# Altium PCB PCB1.PcbDoc
Units mm, origin at the board's own origin, x right, y up, seen from the top; angles counter-clockwise.
Board outline 35.74 x 21.26 mm, 2 copper layers (Top Layer, Bottom Layer); 26 components, 26 nets, 111 pads, 36 vias.
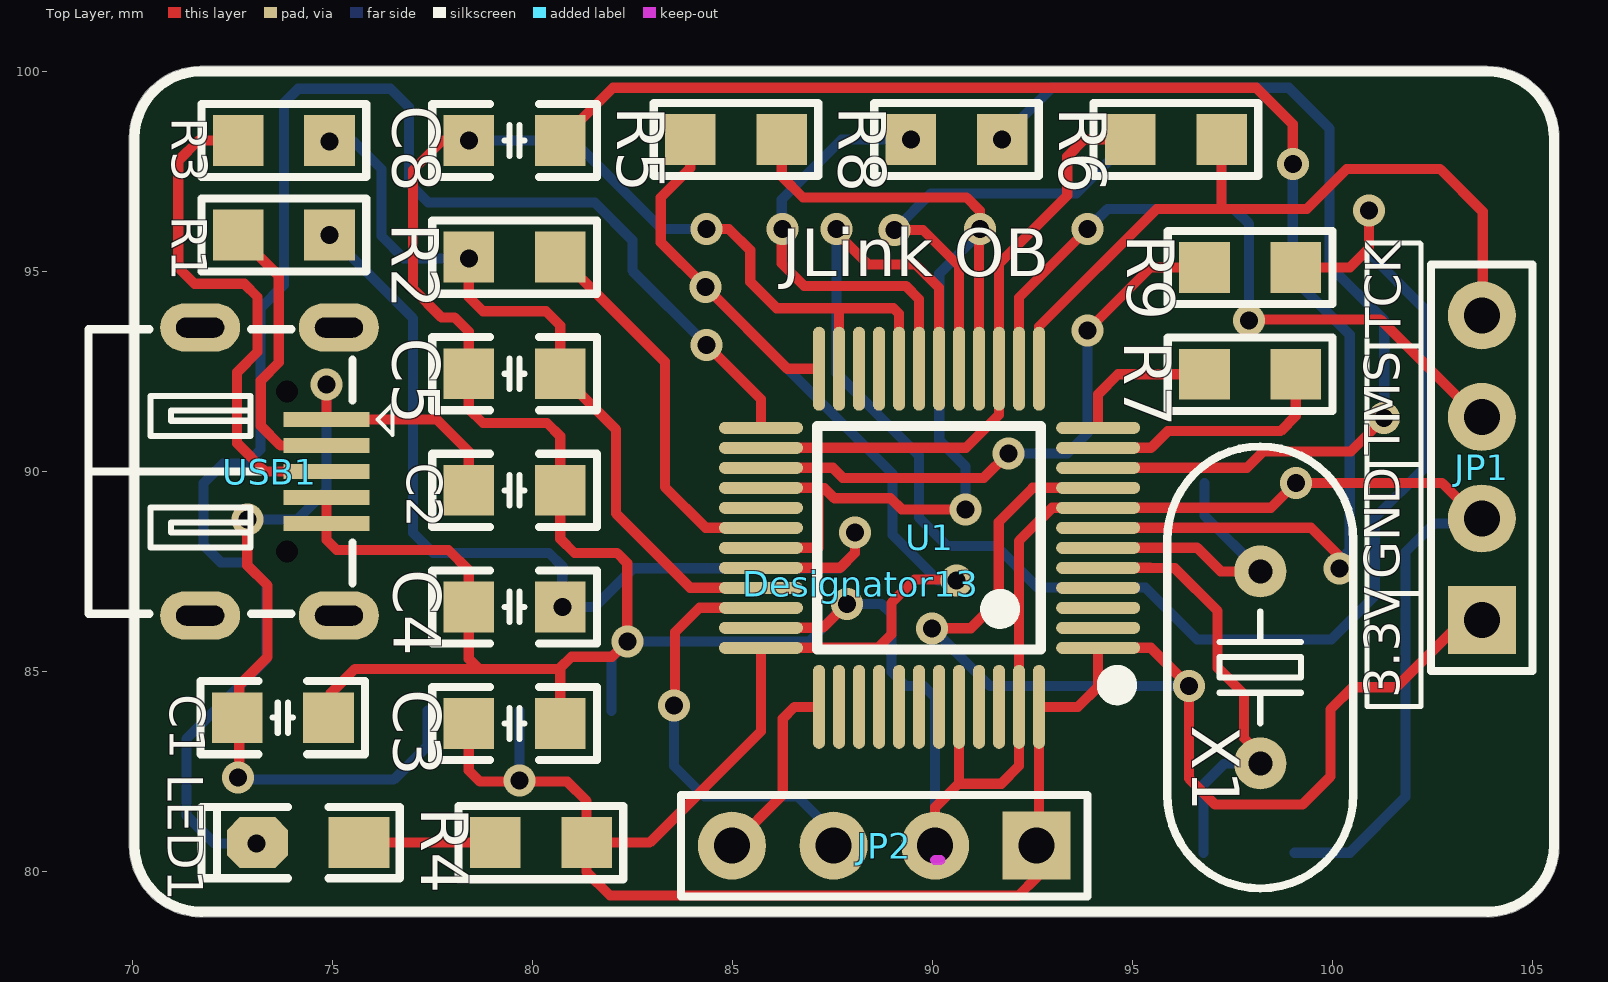
[diagram p0: Top Layer view]
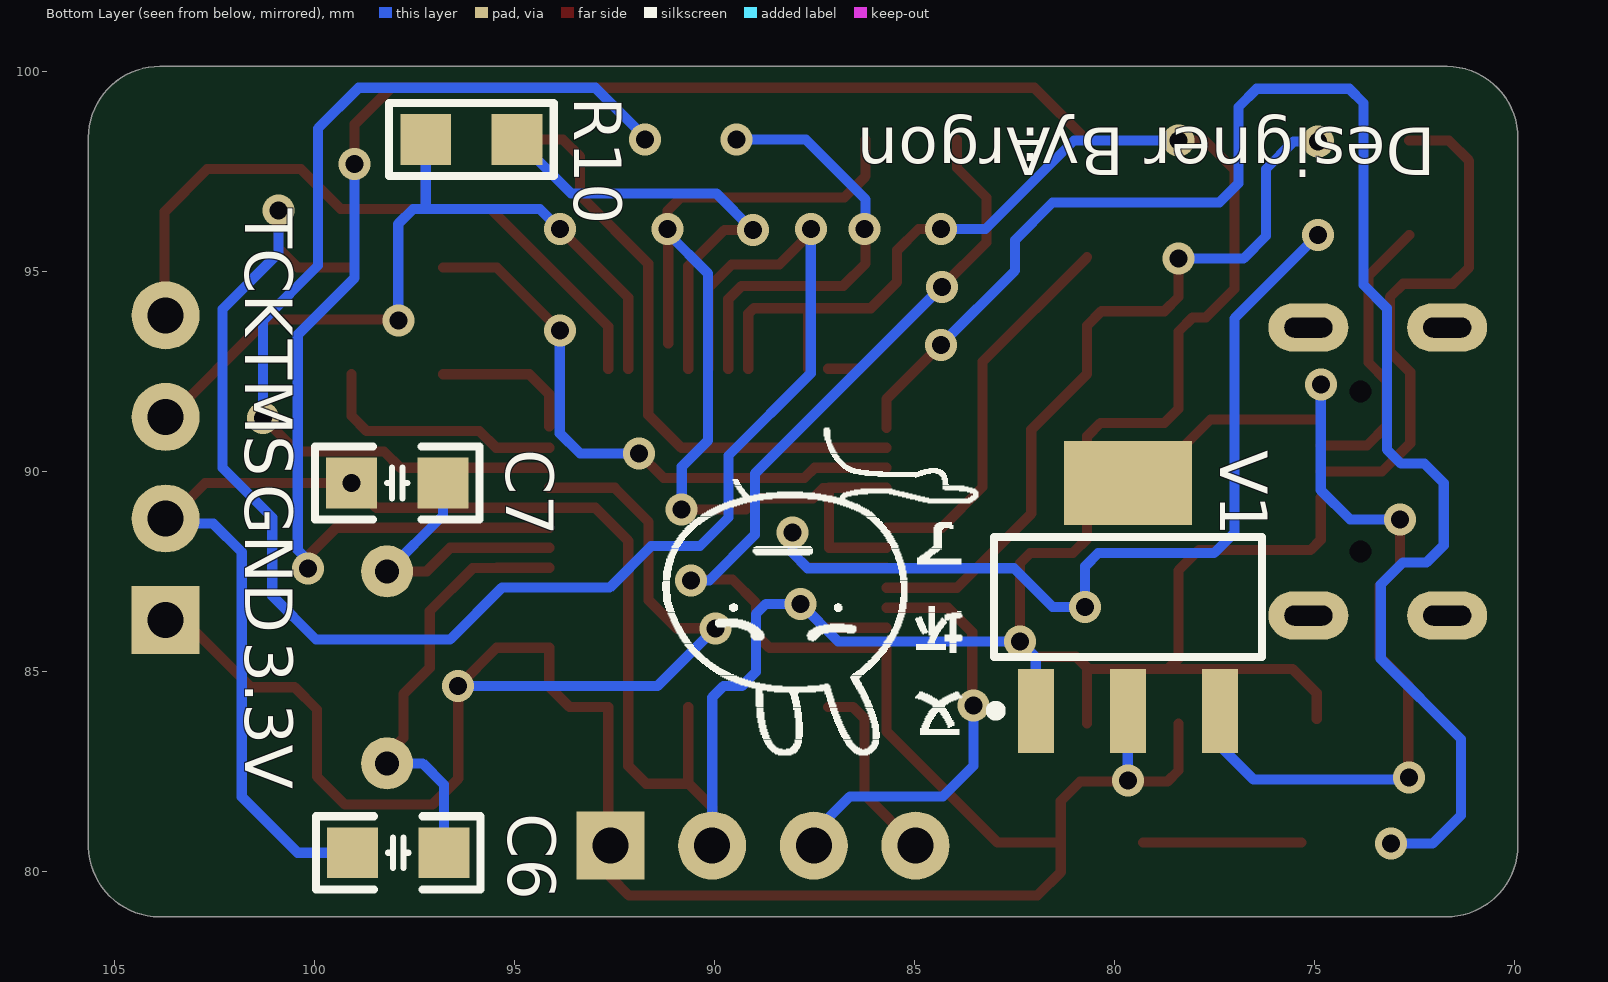
[diagram p1: Bottom Layer view, seen from below]

## Layer stack, top to bottom
Top Solder: solder mask 0.0102, Solder Resist, Dk 3.5
Top Layer: signal copper 0.0356
Dielectric 1: dielectric 0.32, FR-4, Dk 4.8
Bottom Layer: signal copper 0.0356
Bottom Solder: solder mask 0.0102, Solder Resist, Dk 3.5

## Board outline
71.722,78.867 cw(c71.713,80.654) 69.926,80.644 cw(c70.053,80.645) 69.926,80.645 69.926,98.332 cw(c70.053,98.332) 69.926,98.333 cw(c71.713,98.34) 71.696,100.127 cw(c71.704,100) 71.704,100.127 103.861,100.127 cw(c103.861,100) 103.868,100.127 cw(c103.869,100) 103.868,100.127 cw(c103.877,98.34) 105.664,98.349 cw(c105.537,98.349) 105.664,98.349 cw(c105.537,98.349) 105.664,98.345 cw(c105.537,98.34) 105.664,98.34 105.664,80.62 cw(c105.537,80.62) 105.664,80.608 cw(c103.877,80.654) 103.887,78.867 cw(c103.886,78.994) 103.847,78.873 71.76,78.873 cw(c71.721,78.994)

## Design rules (kind name [scope] priority, off if disabled: settings)
Clearance [All] p1: gap=0.254 ignorepadtopadclearanceinfootprint=FALSE except(0: Arc-Hole Track-Hole SMDPad-Hole THPad-Hole Via-Hole Fill-Hole Poly-Hole Region-Hole Text-Hole)
PolygonConnect [All] p1: connectstyle=Relief reliefconductorwidth=0.254 reliefentries=4 polygonreliefangle="90 Angle" airgapwidth=0.254
RoutingVias [All] p1: holewidth=0.711 width=1.27 viastyle="Through Hole" minholewidth=0.711 minwidth=1.27 maxholewidth=0.711 maxwidth=1.27
SolderMaskExpansion [All] p1: expansion=0.102
Width [All] p1: maxlimit=0.254 minlimit=0.254 preferedwidth=0.254
30 further rules are at their usual default settings.

## Components (designator, comment, footprint, x,y, rotation, side; value= is the part's Value field where it differs from the comment)
C1 "105(1uF)" "C 0805_M" 73.762,83.845 r0 top
C2 "104(100nF)" "C 0805_M" 79.553,89.529 r0 top
C3 "105(1uF)" "C 0805_M" 79.553,83.699 r0 top
C4 "22P" "C 0805_M" 79.553,86.614 r0 top
C5 "22P" "C 0805_M" 79.553,92.444 r0 top
C6 "22PF" "C 0805_M" 97.917,80.467 r180 bottom
C7 "22PF" "C 0805_M" 97.942,89.713 r180 bottom
C8 "104" "C 0805_M" 79.553,98.274 r0 top
Designator13 "Comment" 又坏了 88.214,87.198 r180 top
JP1 "HDR-1X4" HDR2.54-LI-4P 103.734,90.094 r90 top
JP2 "HDR-1X4" HDR2.54-LI-4P 88.798,80.645 r180 top
LED1 "红色" "LED 0805G" 74.397,80.721 r180 top
R1 "100" "R 0805_M" 73.787,95.91 r180 top
R2 "1K5" "R 0805_M" 79.553,95.359 r180 top
R3 "100" "R 0805_M" 73.787,98.273 r180 top
R4 "1K5" "R 0805_M" 80.213,80.721 r0 top
R5 "1K?10K" "R 0805_M" 85.09,98.298 r180 top
R6 "100" "R 0805_M" 96.088,98.298 r180 top
R7 "100" "R 0805_M" 97.942,92.431 r0 top
R8 "100" "R 0805_M" 90.602,98.298 r0 top
R9 "100" "R 0805_M" 97.942,95.098 r180 top
R10 "100" "R 0805_M" 96.088,98.298 r180 bottom
U1 "STM32F103C8" "LQFP48 7X7_M" 89.916,88.341 r90 top locked
USB1 "USB-5P" USB-MICRO_D 71.693,89.999 r270 top
V1 "AMS1117-3V3" SOT223_L 79.68,86.868 r90 bottom
X1 "8MHz" "OSC HC-49S" 98.196,85.103 r270 top

## Footprints (in the part's own frame and the unit in brackets; to place one, negate y for a bottom-side part, rotate by r counter-clockwise, add the part's x,y. Pads: shape width x height; smd on the part's side, far side on the other; paste and mask are expansions set on the pad)
"C 0805_M" [mil] "无极性贴片电容"
  rect 50x50 smd: 1(-45,0) 2(45,0)
  silkscreen extent -81,-36 81,36, body extent -39,-24 39,24, height 20
HDR2.54-LI-4P [mm] "排针，4脚"
  rect 1.7x1.7 hole 0.9: 1(-3.81,0)
  round 1.7 hole 0.9: 2(-1.27,0) 3(1.27,0) 4(3.81,0)
  silkscreen extent -5.08,-1.27 5.08,1.27, body extent -5.08,-1.27 5.08,1.27, height 8.5
"LED 0805G" [mil] "绿色0805LED"
  rect 60x50 smd: 1(-50,0)
  oct 60x50 smd: 2(50,0)
  silkscreen extent -90,-35 105,35, body extent -39,-25 39,25, height 32
"LQFP48 7X7_M" [mm] "48脚，体宽7x7mm，脚距0.5mm"
  oval 0.3x2.1 smd: 1(-2.75,-4.227) 2(-2.25,-4.227) 3(-1.75,-4.227) 4(-1.25,-4.227) 5(-0.75,-4.227) 6(-0.25,-4.227) 7(0.25,-4.227) 8(0.75,-4.227) 9(1.25,-4.227) 10(1.75,-4.227) 11(2.25,-4.227) 12(2.75,-4.227) 25(2.75,4.202) 26(2.25,4.202) 27(1.75,4.202) 28(1.25,4.202) 29(0.75,4.202) 30(0.25,4.202) 31(-0.25,4.202) 32(-0.75,4.202) 33(-1.25,4.202) 34(-1.75,4.202) 35(-2.25,4.202) 36(-2.75,4.202)
  oval 2.1x0.3 smd: 13(4.227,-2.75) 14(4.227,-2.25) 15(4.227,-1.75) 16(4.227,-1.25) 17(4.227,-0.75) 18(4.227,-0.25) 19(4.227,0.25) 20(4.227,0.75) 21(4.227,1.25) 22(4.227,1.75) 23(4.227,2.25) 24(4.227,2.75) 37(-4.227,2.75) 38(-4.227,2.25) 39(-4.227,1.75) 40(-4.227,1.25) 41(-4.227,0.75) 42(-4.227,0.25) 43(-4.227,-0.25) 44(-4.227,-0.75) 45(-4.227,-1.25) 46(-4.227,-1.75) 47(-4.227,-2.25) 48(-4.227,-2.75)
  silkscreen extent -3.93,-4.95 2.79,2.79, body extent -4.5,-4.5 4.5,4.5, height 1.45
"OSC HC-49S" [mm]
  round 1.3 hole 0.6: 1(-2.4,0) 2(2.4,0)
  silkscreen extent -5.52,-2.32 5.52,2.33, body extent -5.52,-2.32 5.53,2.33, height 4.13
"R 0805_M" [mil] "1/8W贴片电阻"
  rect 50x50 smd: 1(-45,0) 2(45,0)
  silkscreen extent -81,-36 81,36, body extent -39,-25 39,25, height 20
SOT223_L [mm] "SOT223, 4-Leads, Body 6.5x3.5mm, Pitch 2.3mm, Lead Span 7mm, IPC High Density"
  rect 2.1x0.9 smd: 1(-2.85,2.3) 2(-2.85,0) 3(-2.85,-2.3)
  rect 2.1x3.2 smd: 4(2.85,0)
  silkscreen extent -2.97,-3.35 1.5,3.43, body extent -1.85,-3.35 1.85,3.35, height 1.7
USB-MICRO_D [mm] "micro型USB ，6.7*7.5*2.5mm"
  oval 1.2x2 hole 0.5 slot 1.2 at 90 deg: 0(-3.6,3.47) 0(-3.6,0) 0(3.6,3.47) 0(3.6,0)
  round 0 hole 0.55 unplated: 0(-2,2.17) 0(2,2.17)
  rect 0.381x2.15 smd: 1(-1.3,3.16) 2(-0.65,3.16) 3(0,3.16) 4(0.65,3.16) 5(1.3,3.16)
  silkscreen extent -3.56,-2.79 3.56,4.81, body extent -3.99,-2.75 3.99,3.95, height 2.79
又坏了 [mm]

## Part data
C1 C2 C3 C4 C5 C6 C7 C8: library part C, "无极性贴片电容", BOM名称=无极性贴片电容, 学习资源=www.ooocke.com, 版权归属=源创客
JP1 JP2: library part "Header 4", "4P接插件", BOM名称=4P接插件, 学习资源=www.ooocke.com, 版权归属=源创客
LED1: library part LED-SMD, "贴片LED", BOM名称=贴片LED, 学习资源=www.ooocke.com, 版权归属=源创客
R1 R2 R3 R4 R5 R6 R7 R8 R9 R10: library part R, "贴片电阻", BOM名称=贴片电阻, 学习资源=www.ooocke.com, 版权归属=源创客
U1: "Flaah:64/RAM:20/IO:36", BOM名称=32位STM单片机, 学习资源=www.ooocke.com, 版权归属=源创客
USB1: "微型USB母座", BOM名称=微型USB母座, 学习资源=www.ooocke.com, 版权归属=源创客
V1: library part AMS1117, "三端稳压芯片", BOM名称=稳压芯片, 学习资源=www.ooocke.com, 版权归属=源创客
X1: library part XTAL-2P, "2脚无源脚晶振", BOM名称=2脚无源脚晶振, 学习资源=www.ooocke.com, 版权归属=源创客

## Via types
v1: diameter 0.8, hole 0.45, Top Layer to Bottom Layer, 36 vias

## Nets (pads, with @x,y where several pads share a name; then routed paths per layer and width w, separated by ;. In a path a pad name is that pad's centre, name@x,y a point inside that pad or via, vN(x,y) a via of type N, cw(c..) or ccw(c..) an arc to the next point about the centre after c; other vN are vias at no path point)
D+: C5.2 R2.2 R3.1 U1.33 | length 18.9
  Top Layer w0.254: R2.2 v1(78.41,95.326) 78.41,94.361 78.765,94.005 80.34,94.005 80.696,93.65 C5.2 82.093,91.047 82.093,88.945 83.947,87.091 U1.33
  Bottom Layer w0.254: v1(74.93,98.247) 75.54,98.247 76.225,97.561 76.225,95.885 76.784,95.326 v1(78.41,95.326)
D-: C4.2 R1.1 U1.32 | length 24.8
  Top Layer w0.254: U1.32 87.693,87.591 88.062,87.96 v1(88.062,88.468)
  Bottom Layer w0.254: v1(74.93,95.91) 77.013,93.828 77.013,88.468 77.521,87.96 80.416,87.96 80.747,87.63 v1(80.747,86.614) 81.559,86.614 82.525,87.579 87.681,87.579 88.062,87.96 v1(88.062,88.468)
GND: C1.2 C2.2 C3.2 C4.1 C5.1 C6.1 C7.1 C8.1 JP1.2 JP2.2 U1.8 U1.20 U1.23 U1.35 U1.44 U1.47 USB1.4 USB1.5 V1.1 | length 105.1
  Top Layer w0.254: USB1.4 USB1.5 74.853,88.291 75.108,88.036 77.902,88.036 78.41,87.528 C4.1 78.41,85.319 78.664,85.065 ; C1.2@74.955,83.82 74.955,84.455 75.565,85.065 78.664,85.065 ; v1(78.41,98.274) 77.751,98.274 77.013,97.536 77.013,94.564 77.724,93.853 78.054,93.853 78.41,93.497 C5.1 78.41,91.567 78.765,91.211 80.366,91.211 80.696,90.881 C2.2 80.696,88.316 81.051,87.96 82.118,87.96 82.372,87.706 v1(82.372,85.75) 81.991,85.369 80.975,85.369 80.696,85.09 80.696,85.065 ; C3.2 80.696,85.065 ; v1(84.353,96.063) 84.912,96.063 85.446,95.529 85.446,94.742 86.106,94.082 87.666,94.082 ; U1.35 87.158,86.091 ; 87.158,86.099 87.268,86.099 v1(87.859,86.69) 87.757,86.69 v1@87.681,86.614 ; U1.23 87.666,94.082 ; U1.20 89.166,93.943 89.027,94.082 87.666,94.082 ; JP2.2@90.068,80.289 JP2.2@90.666,80.887 ; JP2.2 90.068,81.609 90.666,82.206 ; U1.44 90.666,82.206 ; JP1.2@103.759,88.697 102.743,89.713 v1(99.085,89.713) 98.464,89.091 U1.8 92.992,89.091 92.166,88.265 U1.47 92.166,82.641 91.719,82.194 90.678,82.194 90.666,82.206 ; 78.664,85.065 80.696,85.065
  Bottom Layer w0.254: v1(78.41,98.274) 81.025,98.274 83.236,96.063 v1(84.353,96.063) ; V1.1 81.98,85.358 v1(82.372,85.75) 86.919,85.75 v1(87.859,86.69) 88.722,86.69 88.976,86.436 88.976,84.988 89.332,84.633 89.789,84.633 90.068,84.353 JP2.2 ; C6.1 100.432,80.467 101.829,81.864 101.829,87.986 102.54,88.697 JP1.2@103.759,88.697
JTCK: JP2.4 U1.37 | length 5.1
  Top Layer w0.254: JP2.4@84.89,80.645 84.89,80.387 JP2.4@84.988,80.289 ; JP2.4 86.258,81.915 86.258,83.82 86.553,84.114 U1.37
JTMS: JP2.3 U1.34 | length 10.7
  Top Layer w0.254: v1@83.566,84.15 83.566,85.979 84.178,86.591 U1.34
  Bottom Layer w0.254: v1(83.541,84.15) 83.541,82.638 84.303,81.876 86.628,81.876 87.528,80.975 JP2.3
NetC6_2: C6.2 U1.5 X1.2 | length 11
  Top Layer w0.254: U1.5 95.441,87.591 95.449,87.583 ; 95.441,87.583 95.449,87.583 ; X1.2 98.196,82.931 97.79,83.337 97.79,84.43 97.13,85.09 97.13,86.512 96.059,87.583 95.449,87.583
  Bottom Layer w0.254: C6.2 96.774,82.169 97.308,82.703 X1.2
NetC7_2: C7.2 U1.6 X1.1 | length 7.1
  Top Layer w0.254: U1.6 96.618,88.091 97.206,87.503 X1.1
  Bottom Layer w0.254: C7.2 96.799,88.9 X1.1
NetC8_2: C8.2 U1.7 | length 37.7
  Top Layer w0.254: C8.2 82.015,99.593 98.095,99.593 99.009,98.679 v1(99.009,97.688) ; U1.7 99.466,88.591 100.178,87.88 v1(100.178,87.579)
  Bottom Layer w0.254: v1(99.009,97.688) 99.009,94.844 100.432,93.421 100.432,88.036 100.178,87.782 v1(100.178,87.579)
NetLED1_1: LED1.1 R4.1 | length 4
  Top Layer w0.254: LED1.1@75.336,80.721 LED1.1 R4.1 R4.1@79.299,80.721
NetLED1_2: LED1.2 U1.25 | length 40.4
  Top Layer w0.254: v1(84.353,93.167) 85.714,91.806 U1.25
  Bottom Layer w0.254: v1(73.101,80.696) 72.06,80.696 71.349,81.407 71.349,83.312 73.355,85.319 73.355,87.173 72.801,87.727 72.208,87.727 71.78,88.154 71.78,89.713 72.263,90.195 72.847,90.195 73.203,90.551 73.203,94.082 73.787,94.666 73.787,99.212 74.143,99.568 76.454,99.568 76.911,99.111 76.911,97.206 77.394,96.723 81.559,96.723 82.499,95.783 82.499,95.021 v1(84.353,93.167)
NetR1_2: R1.2 USB1.2 | length 7.2
  Top Layer w0.254: R1.2 73.66,94.894 73.66,92.723 73.207,92.271 73.207,91.14 73.699,90.649 USB1.2
NetR3_2: R3.2 USB1.3 | length 13.1
  Top Layer w0.254: R3.2 71.653,98.273 71.145,97.765 71.145,95.098 71.552,94.691 72.796,94.691 73.127,94.361 73.127,92.989 72.619,92.481 72.619,90.703 73.323,89.999 USB1.3
PA9: R2.1 U1.30 | length 9.7
  Top Layer w0.254: R2.1 83.312,92.743 83.312,89.611 84.332,88.591 U1.30
TCKIN: JP1.4 R6.1 U1.13 | length 18.7
  Top Layer w0.254: U1.13 92.666,93.624 95.606,96.564 97.257,96.564 ; R6.1 97.231,96.589 97.257,96.564 ; JP1.4@103.759,93.777 103.759,96.495 102.692,97.561 100.355,97.561 99.358,96.564 97.257,96.564
TCKOUT: R6.2 U1.15 U1.26 | length 15.2
  Top Layer w0.254: U1.26 90.84,90.591 91.666,91.417 U1.15 91.666,95.197 93.37,96.901 93.37,97.866 93.802,98.298 R6.2
TDIIN: R9.1 U1.18 | length 40.1
  Top Layer w0.254: v1(87.605,96.063) 87.605,95.961 88.392,95.174 89.582,95.174 90.158,94.598 90.158,94.59 ; U1.18 90.166,94.59 ; R9.1 100.432,95.098 100.914,95.58 v1(100.914,96.52)
  Bottom Layer w0.254: v1(87.605,96.063) 87.605,92.456 89.662,90.399 89.662,88.849 90.373,88.138 91.592,88.138 92.634,87.097 95.326,87.097 96.622,85.801 99.974,85.801 101.067,86.893 ; v1(100.914,96.52) 100.914,95.453 102.311,94.056 102.311,90.094 101.067,88.849 101.067,86.944
TDIOUT: R9.2 U1.27 | length 14.9
  Top Layer w0.254: U1.27 87.509,90.091 87.76,89.84 91.288,89.84 v1(91.897,90.449) ; v1(93.878,93.523) 95.453,95.098 R9.2
  Bottom Layer w0.254: v1(91.897,90.449) 93.37,90.449 93.878,90.957 v1(93.878,93.523)
TDOIN: R5.1 U1.16 U1.28 U1.31 | length 25.5
  Top Layer w0.254: U1.31 87.147,88.091 ; U1.28 87.142,89.591 87.147,89.586 87.147,89.583 ; R5.1 86.233,97.384 86.766,96.85 90.856,96.85 91.186,96.52 v1(91.186,96.063) ; 87.142,89.583 87.147,89.583 ; 87.147,88.113 87.147,89.583 ; v1(90.83,89.052) v1@90.78,89.052 ; v1@90.881,88.951 v1@90.78,89.052 ; U1.16@91.166,93.203 v1@91.166,95.961 ; 87.147,89.583 87.298,89.583 87.55,89.332 88.951,89.332 89.23,89.052 v1@90.78,89.052
  Bottom Layer w0.254: v1(90.83,89.052) 90.83,90.119 90.17,90.78 90.17,94.945 91.186,95.961 v1(91.186,96.063)
TMSIN: JP1.3 R10.1 U1.14 | length 19.6
  Top Layer w0.254: U1.14 92.166,94.35 v1(93.878,96.063) ; v1@97.942,93.802 101.194,93.802 JP1.3@103.759,91.237
  Bottom Layer w0.254: v1(93.878,96.063) 94.374,96.558 97.549,96.558 97.917,96.19 v1(97.917,93.777) ; 97.231,96.576 R10.1
TMSOUT: R10.2 U1.17 | length 11.4
  Top Layer w0.254: v1(89.052,96.037) 89.764,96.037 90.666,95.135 U1.17
  Bottom Layer w0.254: v1(89.052,96.037) 89.967,96.952 93.599,96.952 R10.2
TRESIN: R7.1 U1.12 | length 3.7
  Top Layer w0.254: U1.12@94.143,91.122 94.143,91.933 94.64,92.431 R7.1
TRESOUT: R7.2 U1.11 | length 6.3
  Top Layer w0.254: U1.11 95.468,90.591 95.885,91.008 98.704,91.008 99.085,91.389 R7.2
TRSTIN: R8.1 U1.19 | length 10.7
  Top Layer w0.254: 86.233,95.656 86.233,95.199 86.792,94.64 89.332,94.64 89.666,94.306 U1.19
  Bottom Layer w0.254: v1@86.233,95.961 86.233,96.799 87.732,98.298 v1(89.459,98.298)
  other v1: 86.258,96.063
TRSTOUT: R8.2 U1.10 | length 24.6
  Top Layer w0.254: U1.10 97.864,90.091 98.273,90.5 100.457,90.5 v1(101.295,91.338)
  Bottom Layer w0.254: v1(91.745,98.298) 91.745,98.349 92.989,99.593 98.908,99.593 99.924,98.577 99.924,95.148 101.295,93.777 v1(101.295,91.338)
V3.3: C3.1 JP1.1 JP2.1 R4.2 R5.2 U1.1 U1.9 U1.24 U1.36 U1.48 V1.2 | length 87.8
  Top Layer w0.254: C3.1 78.41,82.525 78.689,82.245 80.874,82.245 81.356,81.763 R4.2 ; R5.2 83.947,97.587 83.21,96.85 83.21,95.733 v1(84.328,94.615) 86.375,92.568 U1.24 ; v1(89.992,86.081) 90.957,86.081 91.658,86.781 91.658,88.737 92.507,89.586 ; v1(90.602,87.274) 90.576,87.3 89.56,87.3 88.976,86.716 88.976,85.928 88.639,85.591 U1.36 85.714,83.505 82.931,80.721 R4.2 ; 92.507,89.591 U1.9 ; JP2.1 92.608,79.858 92.151,79.4 81.94,79.4 81.356,79.985 R4.2 ; JP2.1@92.666,80.645 U1.48 93.639,84.114 94.143,84.618 U1.1@94.143,85.56 ; U1.1 95.46,85.591 v1(96.418,84.633) 96.418,82.321 97.068,81.672 99.249,81.672 99.949,82.372 99.949,84.049 100.508,84.607 101.6,84.607 103.149,86.157 JP1.1@103.759,86.157
  Bottom Layer w0.254: v1@79.68,82.169 v1(79.68,82.271) V1.2 ; v1(84.328,94.615) 89.002,89.941 89.002,88.417 90.145,87.274 v1(90.602,87.274) ; v1(89.992,86.081) 91.44,84.633 v1(96.418,84.633)
VCC: C1.1 C2.1 USB1.1 V1.3 | length 23.6
  Top Layer w0.254: v1(72.644,82.347) 72.669,82.372 72.669,84.658 73.381,85.369 73.381,87.147 72.873,87.655 v1(72.873,88.798) ; v1(74.853,92.177) USB1.1 77.61,91.299 ; 77.611,91.299 78.41,90.5 C2.1
  Bottom Layer w0.254: v1(72.644,82.347) 72.695,82.296 76.53,82.296 77.38,83.146 V1.3 ; v1(72.873,88.798) 74.117,88.798 74.853,89.534 v1(74.853,92.177)
pads on no net: U1.2 U1.3 U1.4 U1.21 U1.22 U1.29 U1.38 U1.39 U1.40 U1.41 U1.42 U1.43 U1.45 U1.46 USB1.0 V1.4

## Keep-outs
Top Layer:
  lines w0.254: 90.068,80.289 90.195,80.289

## Silkscreen, mask and mechanical layers (free items; w line width, h text height)
Top Overlay:
  lines w0.127: 100.863,90.17 102.21,90.17 ; 100.863,93.142 102.21,93.142 ; 100.889,86.944 102.21,86.944 ; 102.184,95.707 100.863,95.707 100.863,84.125 102.21,84.125 102.21,95.682
  lines w0.254: 71.721,78.994 cw(c71.713,80.654) 70.053,80.645 70.053,98.332 cw(c71.713,98.34) 71.704,100 87,100 103.861,100 ; 71.721,79 103.962,79 ; 103.869,100 cw(c103.877,98.34) 105.537,98.349 ; 103.886,78.994 ccw(c103.877,80.654) 105.537,80.662 ; 105.537,80.62 105.537,98.34
  text "JLink OB" at 86.233,94.488 h2.03
  text "TCK" at 102.006,93.345 h1.52 r90
  text "TMS" at 101.981,90.424 h1.52 r90
  text "GND" at 101.981,87.301 h1.52 r90
  text "3.3V" at 101.981,84.328 h1.52 r90
Bottom Overlay:
  text "Designer By:" at 71.984,98.984 h2.03 r180
  text "Argon" at 81.61,98.984 h2.03 r180
  text "TCK" at 102.133,96.571 h2.03 r90
  text "TMS" at 102.133,93.294 h2.03 r90
  text "GND" at 102.133,89.68 h2.03 r90
  text "3.3V" at 102.133,85.75 h2.03 r90